# KiCad board ergodonk-elite-c.kicad_pcb
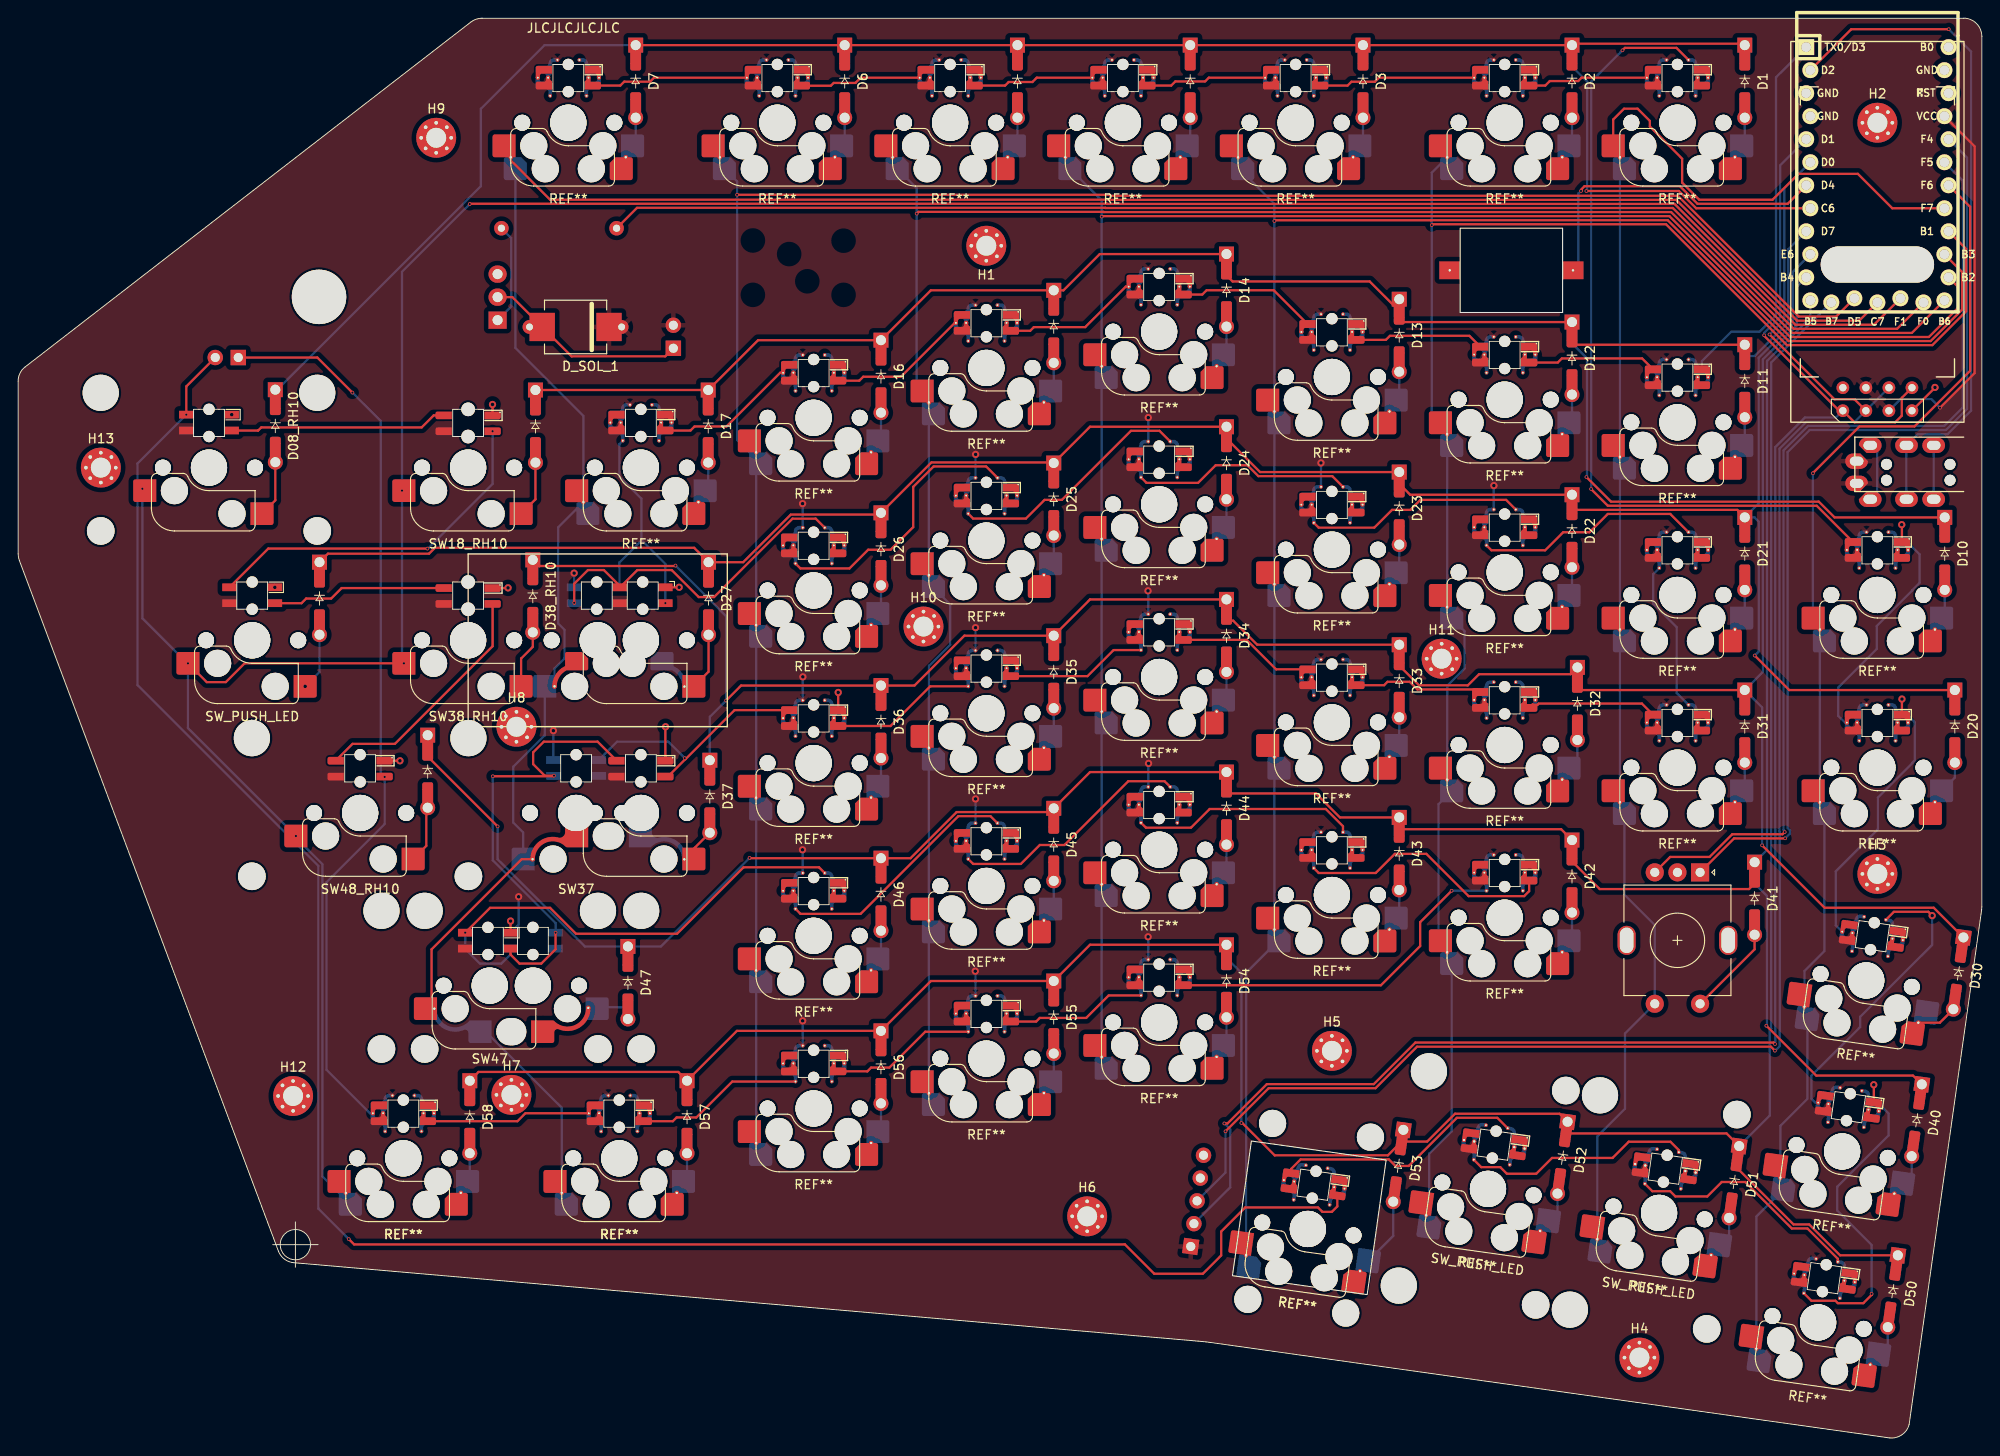
[diagram p0: board, top side]
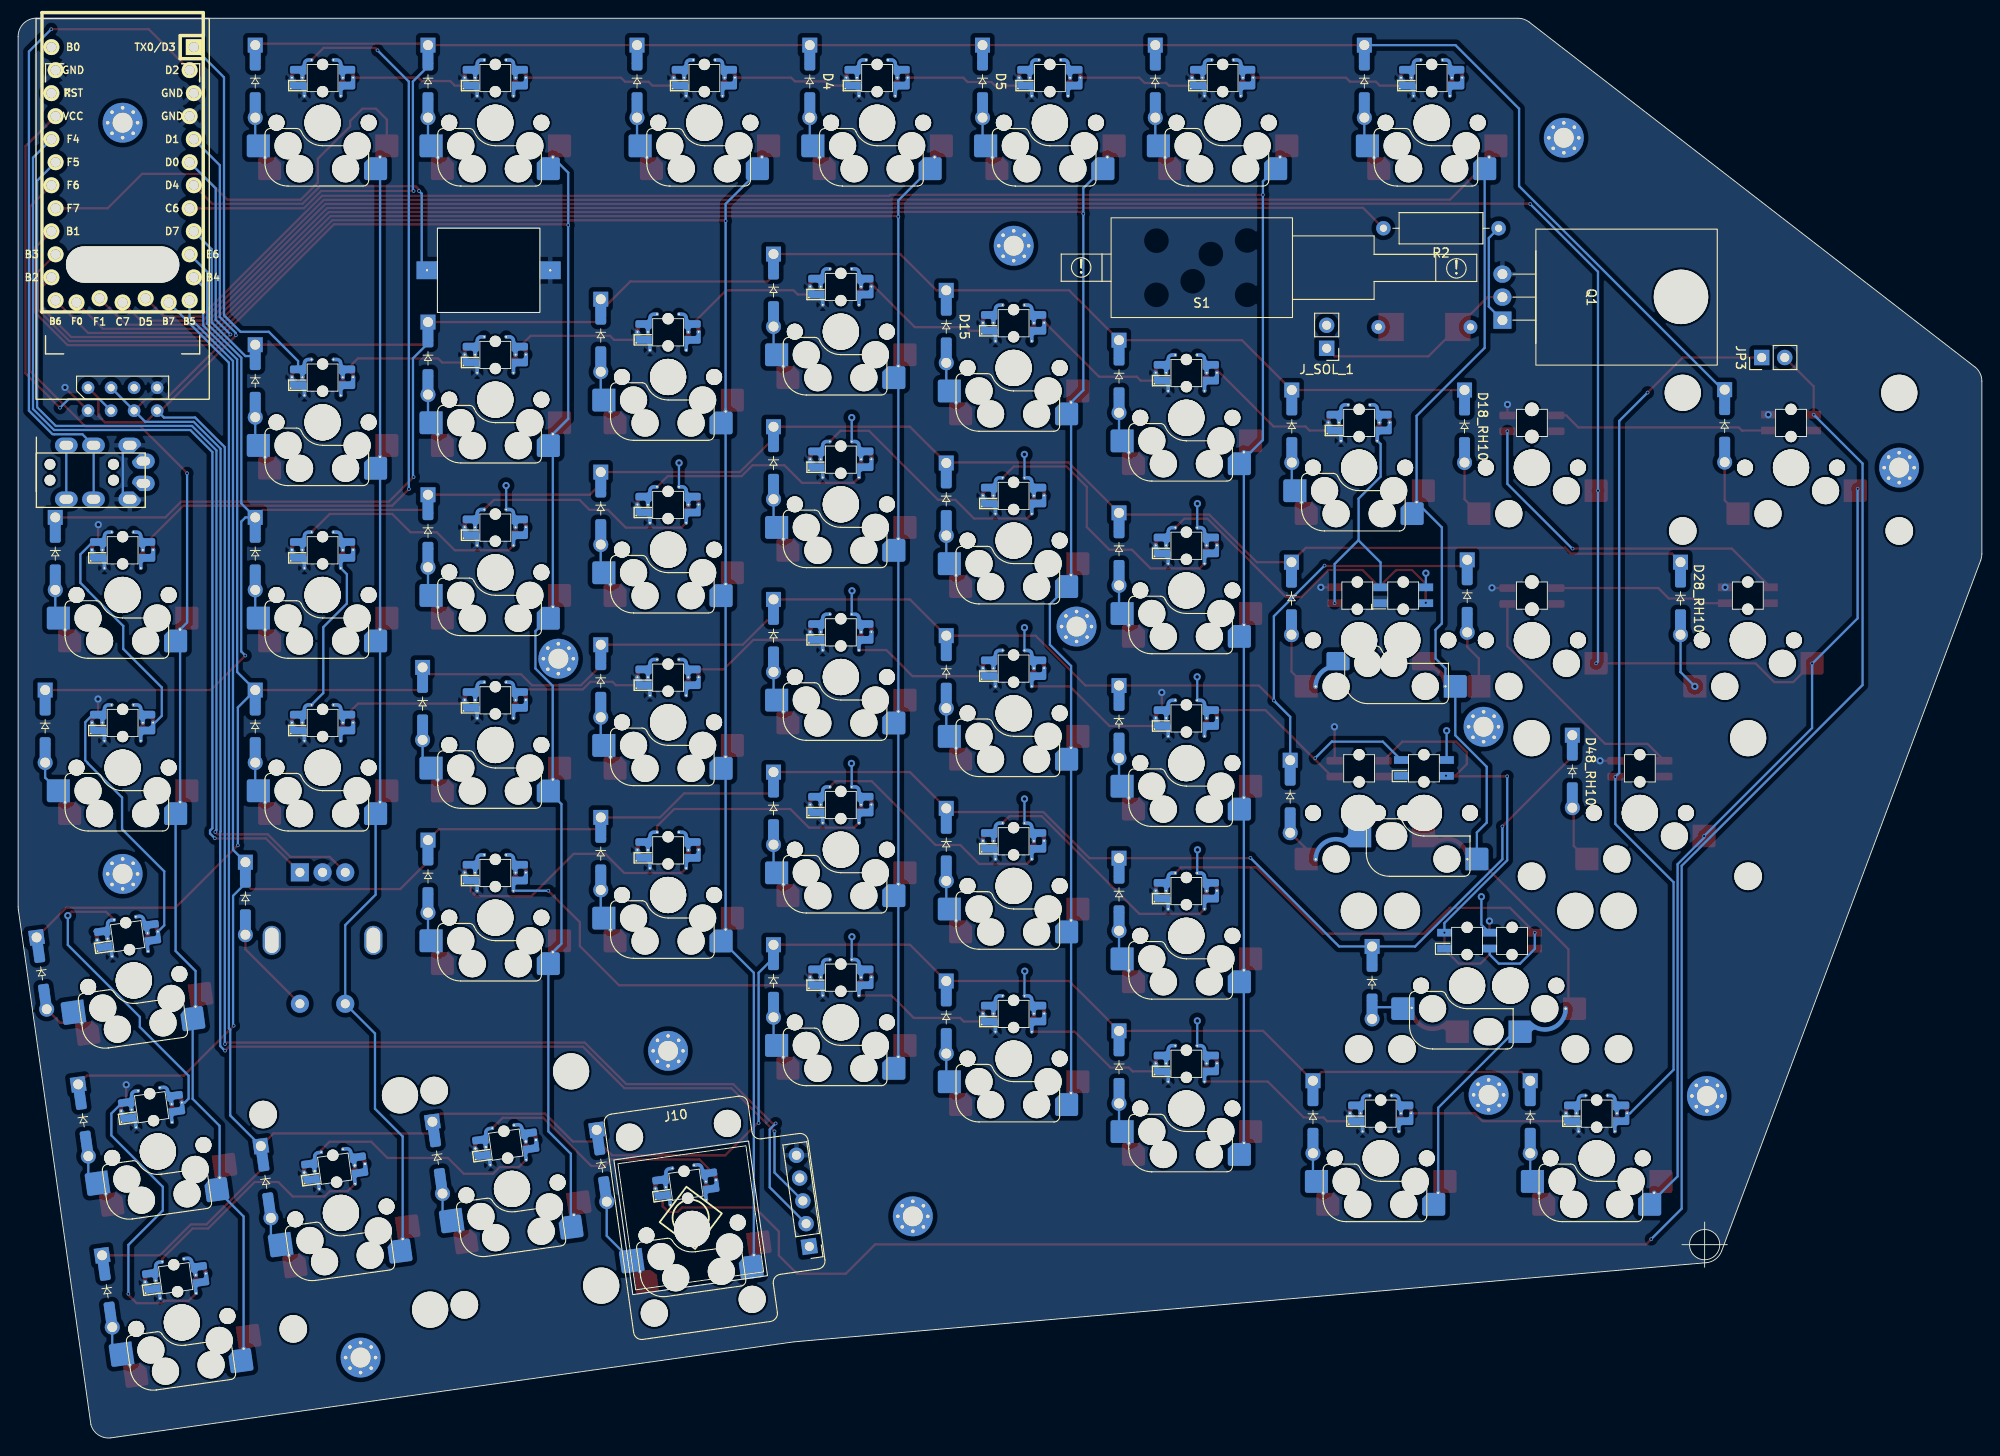
[diagram p1: board, bottom side, seen from below]

Outline 216.54 x 156.63 mm; copper layers: Top, Bottom. Coordinates in mm from the lower left corner of the outline.
Outline path: 0.77,118.15 arc(0.2,117.46) 0,116.59 0,97.52 arc(0.03,97.16) 0.13,96.81 28.7,20.61 arc(29.36,19.72) 30.4,19.32 130.98,10.59 206.31,0 ; 0.77,118.15 49.92,156.2 arc(50.5,156.51) 51.14,156.62 ; 51.14,156.61 214.54,156.61 ; 206.31,0 arc(207.69,0.32) 208.52,1.47 216.52,58.29 ; 214.54,156.63 arc(215.95,156.03) 216.54,154.62 216.54,58.56 arc(216.53,58.43) 216.52,58.29
Stack: Top 0.035mm / dielectric 1.51mm FR4 er 4.5 / Bottom 0.035mm

## Placement (name value [footprint] x y rotation side)
D1  D  [D_SOD-123_DO-35_Hybrid_DoubleSided]  190.39 149.65 270 top
D2  D  [D_SOD-123_DO-35_Hybrid_DoubleSided]  171.35 149.65 270 top
D3  D  [D_SOD-123_DO-35_Hybrid_DoubleSided]  148.3 149.65 270 top
D4  D  [D_SOD-123_DO-35_Hybrid_DoubleSided]  129.25 149.65 270 bottom
D5  D  [D_SOD-123_DO-35_Hybrid_DoubleSided]  110.2 149.65 270 bottom
D6  D  [D_SOD-123_DO-35_Hybrid_DoubleSided]  91.14 149.65 270 top
D7  D  [D_SOD-123_DO-35_Hybrid_DoubleSided]  68.09 149.65 270 top
D08_RH10  D  [D_SOD-123_DO-35_Hybrid_DoubleSided]  28.36 111.64 270 top
D10  D  [D_SOD-123_DO-35_Hybrid_DoubleSided]  212.44 97.55 270 top
D11  D  [D_SOD-123_DO-35_Hybrid_DoubleSided]  190.39 116.6 270 top
D12  D  [D_SOD-123_DO-35_Hybrid_DoubleSided]  171.35 119.1 270 top
D13  D  [D_SOD-123_DO-35_Hybrid_DoubleSided]  152.3 121.62 270 top
D14  D  [D_SOD-123_DO-35_Hybrid_DoubleSided]  133.25 126.6 270 top
D15  D  [D_SOD-123_DO-35_Hybrid_DoubleSided]  114.2 122.6 270 bottom
D16  D  [D_SOD-123_DO-35_Hybrid_DoubleSided]  95.14 117.1 270 top
D17  D  [D_SOD-123_DO-35_Hybrid_DoubleSided]  76.09 111.6 270 top
D18_RH10  D  [D_SOD-123_DO-35_Hybrid_DoubleSided]  57.05 111.6 270 bottom
D20  D  [D_SOD-123_DO-35_Hybrid_DoubleSided]  213.56 78.5 270 top
D21  D  [D_SOD-123_DO-35_Hybrid_DoubleSided]  190.39 97.55 270 top
D22  D  [D_SOD-123_DO-35_Hybrid_DoubleSided]  171.35 100.05 270 top
D23  D  [D_SOD-123_DO-35_Hybrid_DoubleSided]  152.3 102.55 270 top
D24  D  [D_SOD-123_DO-35_Hybrid_DoubleSided]  133.25 107.55 270 top
D25  D  [D_SOD-123_DO-35_Hybrid_DoubleSided]  114.2 103.55 270 top
D26  D  [D_SOD-123_DO-35_Hybrid_DoubleSided]  95.14 98.05 270 top
D27  D  [D_SOD-123_DO-35_Hybrid_DoubleSided]  76.13 92.61 270 top
D28_RH10  D  [D_SOD-123_DO-35_Hybrid_DoubleSided]  33.23 92.61 270 bottom
D30  D  [D_SOD-123_DO-35_Hybrid_DoubleSided]  213.95 51.25 262 top
D31  D  [D_SOD-123_DO-35_Hybrid_DoubleSided]  190.39 78.5 270 top
D32  D  [D_SOD-123_DO-35_Hybrid_DoubleSided]  171.94 81 270 top
D33  D  [D_SOD-123_DO-35_Hybrid_DoubleSided]  152.3 83.5 270 top
D34  D  [D_SOD-123_DO-35_Hybrid_DoubleSided]  133.25 88.5 270 top
D35  D  [D_SOD-123_DO-35_Hybrid_DoubleSided]  114.2 84.5 270 top
D36  D  [D_SOD-123_DO-35_Hybrid_DoubleSided]  95.14 79 270 top
D37  D  [D_SOD-123_DO-35_Hybrid_DoubleSided]  76.27 70.76 270 top
D38_RH10  D  [D_SOD-123_DO-35_Hybrid_DoubleSided]  56.75 92.87 270 top
D40  D  [D_SOD-123_DO-35_Hybrid_DoubleSided]  209.36 35.04 262 top
D41  D  [D_SOD-123_DO-35_Hybrid_DoubleSided]  191.48 59.51 270 top
D42  D  [D_SOD-123_DO-35_Hybrid_DoubleSided]  171.35 61.95 270 top
D43  D  [D_SOD-123_DO-35_Hybrid_DoubleSided]  152.3 64.45 270 top
D44  D  [D_SOD-123_DO-35_Hybrid_DoubleSided]  133.25 69.45 270 top
D45  D  [D_SOD-123_DO-35_Hybrid_DoubleSided]  114.2 65.45 270 top
D46  D  [D_SOD-123_DO-35_Hybrid_DoubleSided]  95.14 59.95 270 top
D47  D  [D_SOD-123_DO-35_Hybrid_DoubleSided]  67.24 50.21 270 top
D48_RH10  D  [D_SOD-123_DO-35_Hybrid_DoubleSided]  45.16 73.52 270 bottom
D50  D  [D_SOD-123_DO-35_Hybrid_DoubleSided]  206.72 16.18 262 top
D51  D  [D_SOD-123_DO-35_Hybrid_DoubleSided]  189.22 28.23 262 top
D52  D  [D_SOD-123_DO-35_Hybrid_DoubleSided]  170.3 30.92 262 top
D53  D  [D_SOD-123_DO-35_Hybrid_DoubleSided]  152.19 30.02 262 top
D54  D  [D_SOD-123_DO-35_Hybrid_DoubleSided]  133.25 50.4 270 top
D55  D  [D_SOD-123_DO-35_Hybrid_DoubleSided]  114.2 46.4 270 top
D56  D  [D_SOD-123_DO-35_Hybrid_DoubleSided]  95.14 40.9 270 top
D57  D  [D_SOD-123_DO-35_Hybrid_DoubleSided]  73.76 35.4 270 top
D58  D  [D_SOD-123_DO-35_Hybrid_DoubleSided]  49.8 35.4 270 top
D_SOL_1  MUR340S  [MUR340S_IN4001_TH_HYBRID]  61.47 122.56 180 top
H1  MountingHole  [MountingHole_2.2mm_M2_Pad_Via]  106.76 131.52 180 top
H2  MountingHole  [MountingHole_2.2mm_M2_Pad_Via]  205.02 145.09 0 top
H3  MountingHole  [MountingHole_2.2mm_M2_Pad_Via]  205.02 62.22 0 top
H4  MountingHole  [MountingHole_2.2mm_M2_Pad_Via]  178.78 8.86 0 top
H5  MountingHole  [MountingHole_2.2mm_M2_Pad_Via]  144.87 42.7 0 top
H6  MountingHole  [MountingHole_2.2mm_M2_Pad_Via]  117.88 24.44 0 top
H7  MountingHole  [MountingHole_2.2mm_M2_Pad_Via]  54.39 37.84 0 top
H8  MountingHole  [MountingHole_2.2mm_M2_Pad_Via]  54.95 78.45 0 top
H9  MountingHole  [MountingHole_2.2mm_M2_Pad_Via]  46.1 143.43 0 top
H10  MountingHole  [MountingHole_2.2mm_M2_Pad_Via]  99.83 89.51 0 top
H11  MountingHole  [MountingHole_2.2mm_M2_Pad_Via]  156.97 85.96 0 top
H12  MountingHole  [MountingHole_2.2mm_M2_Pad_Via]  30.32 37.72 0 top
H13  MountingHole  [MountingHole_2.2mm_M2_Pad_Via]  9.12 107.04 0 top
J10  Pimaroni Trackball  [pimoroni_trackball]  129.3 21.12 352 bottom
J11  4PIN  [MJ-4PP-9_CANTOR_KITCHEN_SINK]  214.53 105.65 270 top
J_SOL_1  Conn_01x02_Female  [PinHeader_1x02_P2.54mm_Vertical]  72.25 120.21 0 bottom
JP3  LH LED's  [PinHeader_1x02_P2.54mm_Vertical]  24.28 119.19 90 bottom
LS10  AST1109MLTRQ_MAL  [AST1109MLTRQ]  164.66 128.81 180 top
OL10  OLED  [OLED_4Pin_DS_64x128]  205.02 135.59 0 top
Q1  TIP120  [Tip 120 with heatsink]  41.63 125.85 90 bottom
R2  1k  [R_Axial_DIN0309_L9.0mm_D3.2mm_P12.70mm_Horizontal]  53.29 133.45 0 bottom
S1  Solenoid  [uxcell a14092600ux0438 solenoid]  86.02 129.1 0 bottom
SW1  SW_PUSH_LED  [V2_CherryMX_DoubleSided_Hotswap_miniE]  182.97 145.09 0 top
SW2  SW_PUSH_LED  [V2_CherryMX_DoubleSided_Hotswap_miniE]  163.92 145.09 0 top
SW3  SW_PUSH_LED  [V2_CherryMX_DoubleSided_Hotswap_miniE]  140.87 145.09 0 top
SW4  SW_PUSH_LED  [V2_CherryMX_DoubleSided_Hotswap_miniE]  121.82 145.09 0 top
SW5  SW_PUSH_LED  [V2_CherryMX_DoubleSided_Hotswap_miniE]  102.77 145.09 0 top
SW6  SW_PUSH_LED  [V2_CherryMX_DoubleSided_Hotswap_miniE]  83.72 145.09 0 top
SW7  SW_PUSH_LED  [V2_CherryMX_DoubleSided_Hotswap_miniE]  60.67 145.09 0 top
SW08_RH10  SW_PUSH_LED  [V2_CherryMX_DoubleSided_Hotswap_miniE_2u_RH_ONLY]  21.05 107.04 0 top
SW10  SW_PUSH_LED  [V2_CherryMX_DoubleSided_Hotswap_miniE]  205.02 92.99 0 top
SW11  SW_PUSH_LED  [V2_CherryMX_DoubleSided_Hotswap_miniE]  182.97 112.04 0 top
SW12  SW_PUSH_LED  [V2_CherryMX_DoubleSided_Hotswap_miniE]  163.92 114.54 0 top
SW13  SW_PUSH_LED  [V2_CherryMX_DoubleSided_Hotswap_miniE]  144.87 117.04 0 top
SW14  SW_PUSH_LED  [V2_CherryMX_DoubleSided_Hotswap_miniE]  125.82 122.04 0 top
SW15  SW_PUSH_LED  [V2_CherryMX_DoubleSided_Hotswap_miniE]  106.77 118.04 0 top
SW16  SW_PUSH_LED  [V2_CherryMX_DoubleSided_Hotswap_miniE]  87.72 112.54 0 top
SW17  SW_PUSH_LED  [V2_CherryMX_DoubleSided_Hotswap_miniE]  68.67 107.04 0 top
SW18_RH10  SW_PUSH_LED  [V2_CherryMX_DS_Hotswap_miniE_1U_SEED_RH]  49.62 107.04 0 top
SW20  SW_PUSH_LED  [V2_CherryMX_DoubleSided_Hotswap_miniE]  205.02 73.94 0 top
SW21  SW_PUSH_LED  [V2_CherryMX_DoubleSided_Hotswap_miniE]  182.97 92.99 0 top
SW22  SW_PUSH_LED  [V2_CherryMX_DoubleSided_Hotswap_miniE]  163.92 95.49 0 top
SW23  SW_PUSH_LED  [V2_CherryMX_DoubleSided_Hotswap_miniE]  144.87 97.99 0 top
SW24  SW_PUSH_LED  [V2_CherryMX_DoubleSided_Hotswap_miniE]  125.82 102.99 0 top
SW25  SW_PUSH_LED  [V2_CherryMX_DoubleSided_Hotswap_miniE]  106.77 98.99 0 top
SW26  SW_PUSH_LED  [V2_CherryMX_DoubleSided_Hotswap_miniE]  87.72 93.49 0 top
SW27  SW_PUSH_LED  [V2_CherryMX_DoubleSided_Hotswap_miniE_1.5u_LH_1u_RH]  63.91 87.99 0 top
SW28_RH10  SW_PUSH_LED  [V2_CherryMX_DoubleSided_Hotswap_miniE_1.5u_RH_ONLY]  25.81 87.99 0 top
SW30  SW_PUSH_LED  [V2_CherryMX_DoubleSided_Hotswap_miniE]  203.79 50.46 352 top
SW31  SW_PUSH_LED  [V2_CherryMX_DoubleSided_Hotswap_miniE]  182.97 73.94 0 top
SW32  SW_PUSH_LED  [V2_CherryMX_DoubleSided_Hotswap_miniE]  163.92 76.44 0 top
SW33  SW_PUSH_LED  [V2_CherryMX_DoubleSided_Hotswap_miniE]  144.87 78.94 0 top
SW34  SW_PUSH_LED  [V2_CherryMX_DoubleSided_Hotswap_miniE]  125.82 83.94 0 top
SW35  SW_PUSH_LED  [V2_CherryMX_DoubleSided_Hotswap_miniE]  106.77 79.94 0 top
SW36  SW_PUSH_LED  [V2_CherryMX_DoubleSided_Hotswap_miniE]  87.72 74.44 0 top
SW37  SW_PUSH_LED  [V2_CherryMX_DoubleSided_Hotswap_miniE_1.75u_LH_1u_RH]  61.53 68.94 0 top
SW38_RH10  SW_PUSH_LED  [V2_CherryMX_DS_Hotswap_miniE_1U_SEED_RH]  49.62 87.99 0 top
SW40  SW_PUSH_LED  [V2_CherryMX_DoubleSided_Hotswap_miniE]  201.14 31.6 352 top
SW42  SW_PUSH_LED  [V2_CherryMX_DoubleSided_Hotswap_miniE]  163.92 57.39 0 top
SW43  SW_PUSH_LED  [V2_CherryMX_DoubleSided_Hotswap_miniE]  144.87 59.89 0 top
SW44  SW_PUSH_LED  [V2_CherryMX_DoubleSided_Hotswap_miniE]  125.82 64.89 0 top
SW45  SW_PUSH_LED  [V2_CherryMX_DoubleSided_Hotswap_miniE]  106.77 60.89 0 top
SW46  SW_PUSH_LED  [V2_CherryMX_DoubleSided_Hotswap_miniE]  87.72 55.39 0 top
SW47  SW_PUSH_LED  [V2_CherryMX_DoubleSided_Hotswap_miniE_2.25u_LH_2.75u_RH]  52 50.21 0 top
SW48_RH10  SW_PUSH_LED  [V2_CherryMX_DoubleSided_Hotswap_miniE_2.25u_RH_ONLY]  37.71 68.94 0 top
SW50  SW_PUSH_LED  [V2_CherryMX_DoubleSided_Hotswap_miniE]  198.48 12.73 352 top
SW51  SW_PUSH_LED  [V2_CherryMX_DoubleSided_Hotswap_miniE_2u_Vertical]  180.95 24.82 352 top
SW52  SW_PUSH_LED  [V2_CherryMX_DoubleSided_Hotswap_miniE_2u_Vertical]  162.08 27.47 352 top
SW53  SW_PUSH_LED  [V2_CherryMX_DoubleSided_Hotswap_miniE_1.25u_Vertical]  142.22 23.05 352 top
SW54  SW_PUSH_LED  [V2_CherryMX_DoubleSided_Hotswap_miniE]  125.82 45.84 0 top
SW55  SW_PUSH_LED  [V2_CherryMX_DoubleSided_Hotswap_miniE]  106.77 41.84 0 top
SW56  SW_PUSH_LED  [V2_CherryMX_DoubleSided_Hotswap_miniE]  87.72 36.34 0 top
SW57  SW_PUSH_LED  [V2_CherryMX_DoubleSided_Hotswap_miniE_1.25u]  66.29 30.84 0 top
SW58  SW_PUSH_LED  [V2_CherryMX_DoubleSided_Hotswap_miniE_1.25u]  42.48 30.84 0 top
SWLH_ROT1  RotaryEncoder_Switch  [RotaryEncoder_EC11_ergodonk_variant]  182.97 54.89 270 top
U10  Elite-C  [Elite-C-ZigZag]  205.02 139.46 270 top

## Library data of the parts
D1-D7 D08_RH10 D10-D17 D18_RH10 D20-D27 D28_RH10 D30-D37 D38_RH10 D40-D47 D48_RH10 D50-D58 = -: Description: Diode; Sim.Pins: 1=K 2=A
D_SOL_1 = -: MANUFACTURER: Taiwan Semiconductor; MAXIMUM_PACKAGE_HEIGHT: 2.62 mm; PARTREV: L2102; STANDARD: IPC-7351B
H1-H13 = -: Description: Mounting Hole without connection
J10 = -: Description: Generic connector, single row, 01x05, script generated
J_SOL_1 = -: Description: Generic connector, single row, 01x02, script generated (kicad-library-utils/schlib/autogen/connector/)
JP3 = -: Description: Solder Jumper, 2-pole, open
Q1 = -: Description: 5A Ic, 60V Vce, Silicon Darlington Power NPN Transistor, TO-220
R2 = -: Description: Resistor, small symbol
SWLH_ROT1 = -: Description: Rotary encoder, dual channel, incremental quadrate outputs, with switch

## Footprints (pads in the part's own frame, mm; a bottom-side part is the same pattern mirrored in y, then rotated)
AST1109MLTRQ
  round 0.4 hole 0.25: 1(-6.795,0) 2(6.795,0)
  rect 2.311x1.956 smd: 1(-6.795,0) 2(6.795,0)
  rect 2.311x1.956 smd far side: 1(-6.795,0) 2(6.795,0)
D_SOD-123_DO-35_Hybrid_DoubleSided
  rect 1.65x1.65 hole 1.1: 1(-4,0)
  rect 1.6x1.2 smd far side: 1(-2.75,0) 2(2.7,0)
  rect 1.6x1.2 smd: 1(-2.7,0) 2(2.7,0)
  rrect 0.9x1.2 smd: 1(-1.65,0) 2(1.65,0)
  rrect 0.9x1.2 smd far side: 1(-1.65,0) 2(1.65,0)
  round 1.65 hole 1.1: 2(4,0)
Elite-C-ZigZag
  oval 4x12.5 hole 4x12.5 unplated: (10.014,0)
  rect 1.753x1.753 hole 1.092: 1(-13.97,-7.849)
  round 1.753 hole 1.092: 2(-11.43,-7.391) 3(-8.89,-7.849) 4(-6.35,-7.391) 5(-3.81,-7.849) 6(-1.27,-7.391) 7(1.27,-7.849) 8(3.81,-7.391) 9(6.35,-7.849) 10(8.89,-7.391) 11(11.43,-7.849) 12(13.97,-7.391) 13(13.97,7.391) 14(11.43,7.849) 15(8.89,7.391) 16(6.35,7.849) 17(3.81,7.391) 18(1.27,7.849) 19(-1.27,7.391) 20(-3.81,7.849) 21(-6.35,7.391) 22(-8.89,7.849) 23(-11.43,7.391) 24(-13.97,7.849) 25(14.199,-5.08) 26(13.741,-2.54) 27(14.199,0) 28(13.741,2.54) 29(14.199,5.08)
MJ-4PP-9_CANTOR_KITCHEN_SINK
  round 1.2 hole 1.2 unplated: (-1.75,-1.5) (-1.75,-8.5) (0,-1.5) (0,-8.5)
  rrect 1.7x2.5 hole 1x1.5: 1(-2.1,-11.8) 1(0.35,-11.8) 2(-3.85,-10.3) 2(2.1,-10.3)
  oval 1.7x2.5 hole 1x1.5: 3(-3.85,-6.3) 3(2.1,-6.3) 4(-3.85,-3.3) 4(2.1,-3.3)
MountingHole_2.2mm_M2_Pad_Via
  round 0.7 hole 0.4: 1(-1.65,0) 1(-1.167,1.167) 1(-1.167,-1.167) 1(0,1.65) 1(0,-1.65) 1(1.167,1.167) 1(1.167,-1.167) 1(1.65,0)
  round 4.4 hole 2.2: 1(0,0)
MUR340S_IN4001_TH_HYBRID
  rect 2.795x3.12 smd: A(3.683,0) C(-3.683,0)
  round 1.524 hole 0.762: A(5.08,0) C(-5.08,0)
OLED_4Pin_DS_64x128
  round 1.397 hole 0.813: 1(-3.81,-22.27) 1(3.81,-19.73) 2(-1.27,-22.27) 2(1.27,-19.73) 3(-1.27,-19.73) 3(1.27,-22.27) 4(-3.81,-19.73) 4(3.81,-22.27)
pimoroni_trackball
  round 3 hole 3 unplated: (7.05,-14.7) (7.05,4.9) (17.95,-14.7) (17.95,4.9)
  rect 1.7x1.7 hole 1: 1(0,0)
  oval 1.7x1.7 hole 1: 2(0,-2.54) 3(0,-5.08) 4(0,-7.62) 5(0,-10.16)
PinHeader_1x02_P2.54mm_Vertical
  rect 1.7x1.7 hole 1: 1(0,0)
  oval 1.7x1.7 hole 1: 2(0,-2.54)
R_Axial_DIN0309_L9.0mm_D3.2mm_P12.70mm_Horizontal
  round 1.6 hole 0.8: 1(0,0)
  oval 1.6x1.6 hole 0.8: 2(12.7,0)
RotaryEncoder_EC11_ergodonk_variant
  oval 3.2x2 hole 2.8x1.5 unplated: (0,5.6) (0,-5.6)
  rect 2x2 hole 1: A(-7.5,2.5)
  round 2 hole 1: B(-7.5,-2.5) C(-7.5,0) S1(7,-2.5) S2(7,2.5)
Tip 120 with heatsink
  round 6 hole 6 unplated: (0.03,-8.453)
  rect 1.905x2 hole 1.1: 1(-2.54,11.238)
  oval 1.905x2 hole 1.1: 2(0,11.238) 3(2.54,11.238)
uxcell a14092600ux0438 solenoid
  round 0.001 hole 2.2 unplated: (-5,-3) (-5,3) (-1,-1.5) (1,1.5) (5,-2.975) (5,3)
V2_CherryMX_DoubleSided_Hotswap_miniE
  round 1.75 hole 1.75 unplated: (-5.08,0) (-5.08,0) (5.08,0) (5.08,0)
  round 3 hole 3 unplated: (-3.81,-2.54) (-2.54,-5.08) (2.54,-5.08) (3.81,-2.54)
  rrect 1.82x0.85 smd: (-2.69,5.845) (-2.69,4.095)
  rrect 1.82x0.84 smd: (-2.69,4.095) (2.69,5.84)
  rrect 1.83x0.85 smd: (-2.685,5.855) (2.685,4.095)
  round 1.25 hole 1.25 unplated: (0,6.43) (0,3.43)
  round 3.988 hole 3.988 unplated: (0,0) (0,0)
  rect 1.38x0.84 smd: (2.47,5.85) (2.47,4.09)
  rrect 1.49x0.84 smd: (2.855,5.85) (2.855,4.09)
  custom 2.58x2.385 smd far side: 1(-2.7,5.845) 4(2.7,5.845)
  custom 1.8x1.524 smd: 1(-2.7,4.095)
  round 0.45 hole 0.2: 1(-2.234,4.969) 2(-3.368,4.97) 3(3.38,4.97) 4(2.225,4.97)
  round 0.4 hole 0.2: 1(-1.2,6.93) 2(-2,2.97) 3(2,2.97) 4(1.22,6.93)
  custom 1.805x2.425 smd far side: 2(-2.7,4.095) 3(2.7,4.1)
  custom 1.8x1.525 smd: 2(-2.693,5.845)
  custom 1.81x1.362 smd: 3(2.705,5.845)
  custom 1.81x1.525 smd: 4(2.7,4.095)
  rrect 2.543x2.52 smd: 5(5.838,-5.07)
  round 0.5 hole 0.25: 5(6.34,-3.81) 6(-6.34,-3.81)
  rrect 2.55x2.52 smd far side: 5(7.085,-2.55)
  rrect 2.55x2.52 smd: 6(-7.085,-2.55)
  rrect 2.553x2.52 smd far side: 6(-5.843,-5.07)
V2_CherryMX_DoubleSided_Hotswap_miniE_1.5u_LH_1u_RH
  round 1.75 hole 1.75 unplated: (-5.08,0) (-5.08,0) (-0.318,0) (-0.318,0) (5.08,0) (5.08,0) (9.842,0) (9.842,0)
  round 3 hole 3 unplated: (-2.54,-5.08) (0.953,-2.54) (3.81,-2.54) (7.303,-5.08)
  round 1.25 hole 1.25 unplated: (-0.1,6.43) (-0.1,3.43) (4.963,6.43) (4.963,3.43)
  round 3.988 hole 3.988 unplated: (0,0) (0,0) (4.763,0) (4.763,0)
  rect 1.6x0.85 smd far side: 1(-2.6,5.845) 2(-2.6,4.095) 3(2.4,4.095) 4(2.4,5.845)
  rect 1.6x0.85 smd: 1(2.462,4.095) 2(2.462,5.845) 3(7.463,5.845) 4(7.463,4.095)
  custom 4.001x4.061 smd far side: 5(7.085,-2.3)
  round 0.5 hole 0.25: 5(9.561,-5.101) 6(-4.761,-5.08)
  rrect 2.55x2.5 smd: 5(10.604,-5.08)
  rrect 2.55x2.5 smd far side: 6(-5.842,-5.08)
  custom 3.964x4.04 smd: 6(-2.322,-2.3)
V2_CherryMX_DoubleSided_Hotswap_miniE_1.5u_RH_ONLY
  round 1.75 hole 1.75 unplated: (-5.08,0) (-5.08,0) (5.08,0) (5.08,0)
  round 3 hole 3 unplated: (-3.81,-2.54) (2.54,-5.08)
  round 1.25 hole 1.25 unplated: (0,6.43) (0,3.43)
  round 3.988 hole 3.988 unplated: (0,0) (0,0)
  rect 1.6x0.85 smd: 1(-2.5,4.095) 2(-2.5,5.845) 3(2.5,5.845) 4(2.5,4.095)
  rrect 2.55x2.5 smd: 5(5.842,-5.08) 6(-7.085,-2.54)
V2_CherryMX_DoubleSided_Hotswap_miniE_1.25u
  round 1.75 hole 1.75 unplated: (-5.08,0) (-5.08,0) (5.08,0) (5.08,0)
  round 3 hole 3 unplated: (-3.81,-2.54) (-2.54,-5.08) (2.54,-5.08) (3.81,-2.54)
  rrect 1.82x0.85 smd: (-2.69,5.845) (-2.69,4.095)
  rrect 1.82x0.84 smd: (-2.69,4.095) (2.69,5.84)
  rrect 1.83x0.85 smd: (-2.685,5.855) (2.685,4.095)
  round 1.25 hole 1.25 unplated: (0,6.43) (0,3.43)
  round 3.988 hole 3.988 unplated: (0,0) (0,0)
  rect 1.38x0.84 smd: (2.47,5.85) (2.47,4.09)
  rrect 1.49x0.84 smd: (2.855,5.85) (2.855,4.09)
  custom 2.58x2.385 smd far side: 1(-2.7,5.845) 4(2.7,5.845)
  custom 1.8x1.524 smd: 1(-2.7,4.095)
  round 0.45 hole 0.2: 1(-2.234,4.969) 2(-3.368,4.97) 3(3.38,4.97) 4(2.225,4.97)
  round 0.4 hole 0.2: 1(-1.2,6.93) 2(-2,2.97) 3(2,2.97) 4(1.22,6.93)
  custom 1.805x2.425 smd far side: 2(-2.7,4.095) 3(2.7,4.1)
  custom 1.8x1.525 smd: 2(-2.693,5.845)
  custom 1.81x1.362 smd: 3(2.705,5.845)
  custom 1.81x1.525 smd: 4(2.7,4.095)
  rrect 2.543x2.52 smd: 5(5.838,-5.07)
  round 0.5 hole 0.25: 5(6.34,-3.81) 6(-6.34,-3.81)
  rrect 2.55x2.52 smd far side: 5(7.085,-2.55)
  rrect 2.55x2.52 smd: 6(-7.085,-2.55)
  rrect 2.553x2.52 smd far side: 6(-5.843,-5.07)
V2_CherryMX_DoubleSided_Hotswap_miniE_1.25u_Vertical
  round 1.75 hole 1.75 unplated: (-5.08,0) (-5.08,0) (5.08,0) (5.08,0)
  round 3 hole 3 unplated: (-3.81,-2.54) (-2.54,-5.08) (2.54,-5.08) (3.81,-2.54)
  rrect 1.82x0.85 smd: (-2.69,5.845) (-2.69,4.095)
  rrect 1.82x0.84 smd: (-2.69,4.095) (2.69,5.84)
  rrect 1.83x0.85 smd: (-2.685,5.855) (2.685,4.095)
  round 1.25 hole 1.25 unplated: (0,6.43) (0,3.43)
  round 3.988 hole 3.988 unplated: (0,0) (0,0)
  rect 1.38x0.84 smd: (2.47,5.85) (2.47,4.09)
  rrect 1.49x0.84 smd: (2.855,5.85) (2.855,4.09)
  custom 1.8x1.524 smd: 1(-2.7,4.095)
  custom 2.58x2.385 smd far side: 1(-2.7,5.845) 4(2.7,5.845)
  round 0.45 hole 0.2: 1(-2.234,4.969) 2(-3.368,4.97) 3(3.38,4.97) 4(2.225,4.97)
  round 0.4 hole 0.2: 1(-1.2,6.93) 2(-2,2.97) 3(2,2.97) 4(1.22,6.93)
  custom 1.805x2.425 smd far side: 2(-2.7,4.095) 3(2.7,4.1)
  custom 1.8x1.525 smd: 2(-2.693,5.845)
  custom 1.81x1.362 smd: 3(2.705,5.845)
  custom 1.81x1.525 smd: 4(2.7,4.095)
  rrect 2.543x2.52 smd: 5(5.838,-5.07)
  round 0.5 hole 0.25: 5(6.34,-3.81) 6(-6.34,-3.81)
  rrect 2.55x2.52 smd far side: 5(7.085,-2.55)
  rrect 2.55x2.52 smd: 6(-7.085,-2.55)
  rrect 2.553x2.52 smd far side: 6(-5.843,-5.07)
V2_CherryMX_DoubleSided_Hotswap_miniE_1.75u_LH_1u_RH
  round 1.75 hole 1.75 unplated: (-5.08,0) (-5.08,0) (2.064,0) (2.064,0) (5.08,0) (5.08,0) (12.224,0) (12.224,0)
  round 3 hole 3 unplated: (-2.54,-5.08) (3.334,-2.54) (3.81,-2.54) (9.684,-5.08)
  round 1.25 hole 1.25 unplated: (0,6.43) (0,3.43) (7.144,6.429) (7.144,3.43)
  round 3.988 hole 3.988 unplated: (0,0) (0,0) (7.144,0) (7.144,0)
  rrect 1.82x0.85 smd: (4.454,4.015)
  rrect 1.82x0.84 smd: (4.454,5.765) (9.834,4.02)
  rect 1.38x0.84 smd: (9.614,5.77)
  rrect 1.49x0.84 smd: (9.999,5.77)
  rect 1.6x0.85 smd far side: 1(-2.5,5.845) 2(-2.5,4.095) 3(2.5,4.095) 4(2.5,5.845)
  custom 0.85x0.85 smd: 1(4.444,4.015) 2(4.444,5.765) 3(9.844,5.76) 4(9.844,4.015)